# KiCad board ChunkyV2.kicad_pcb
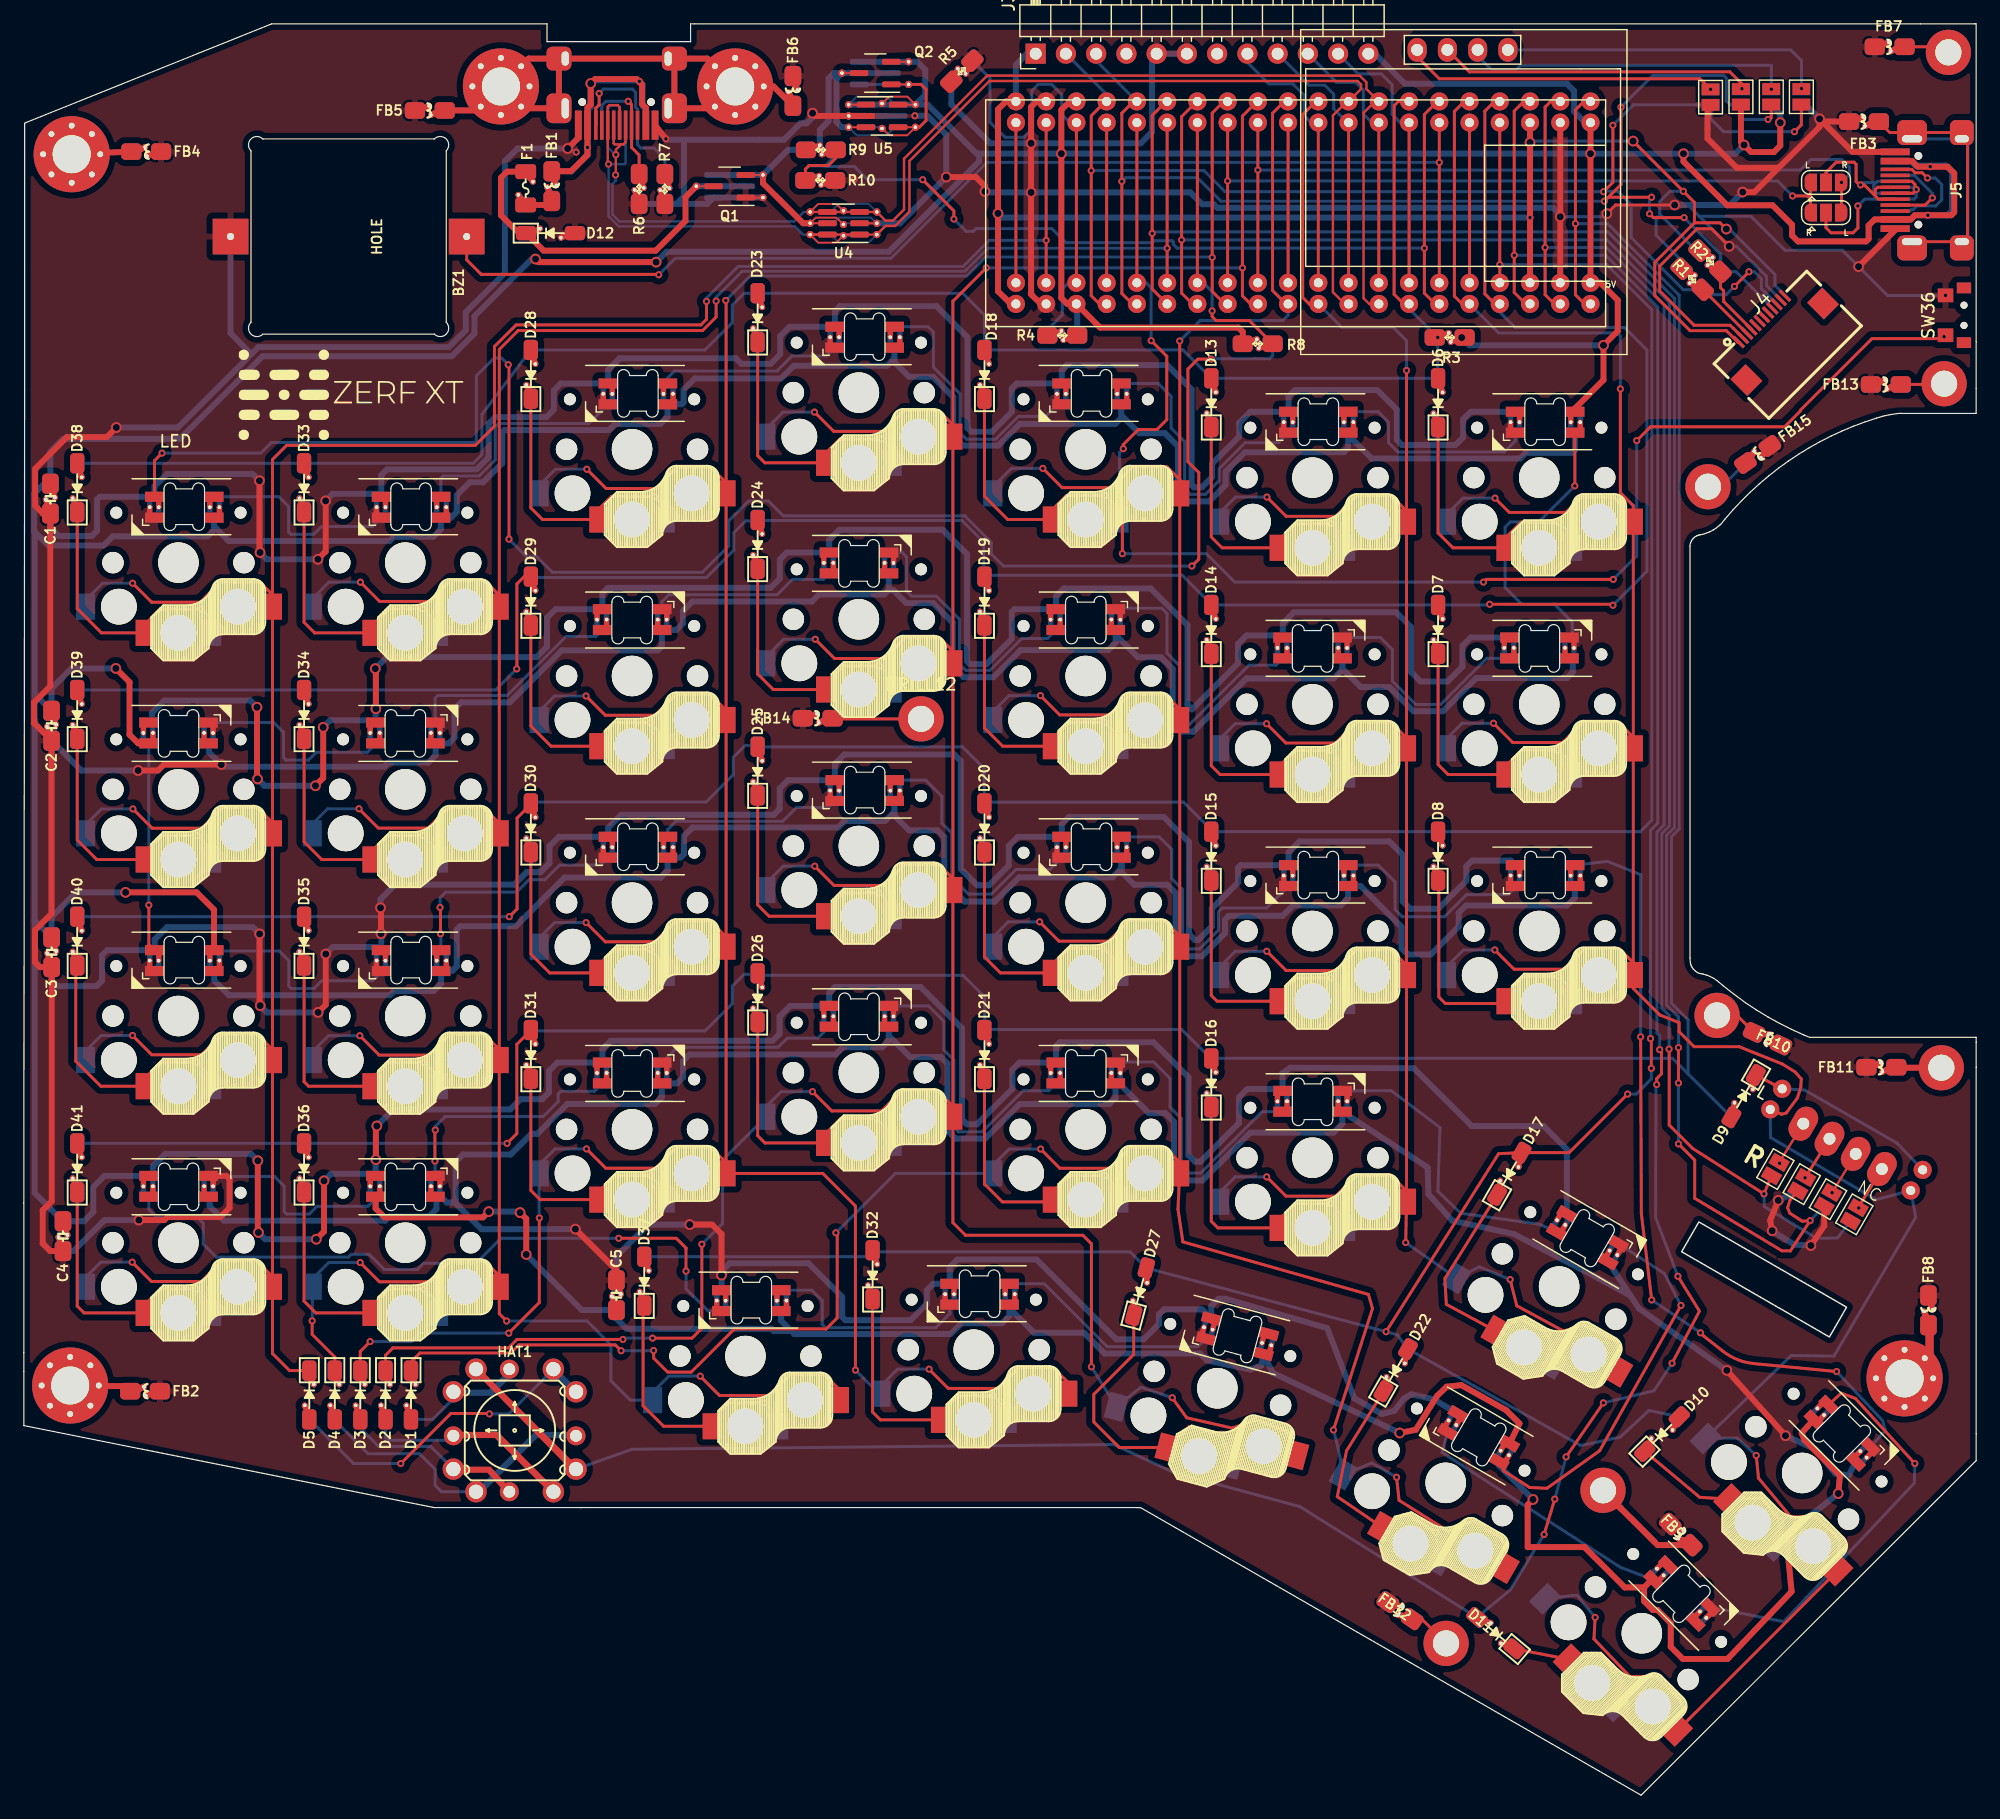
[diagram p0: board, top side]
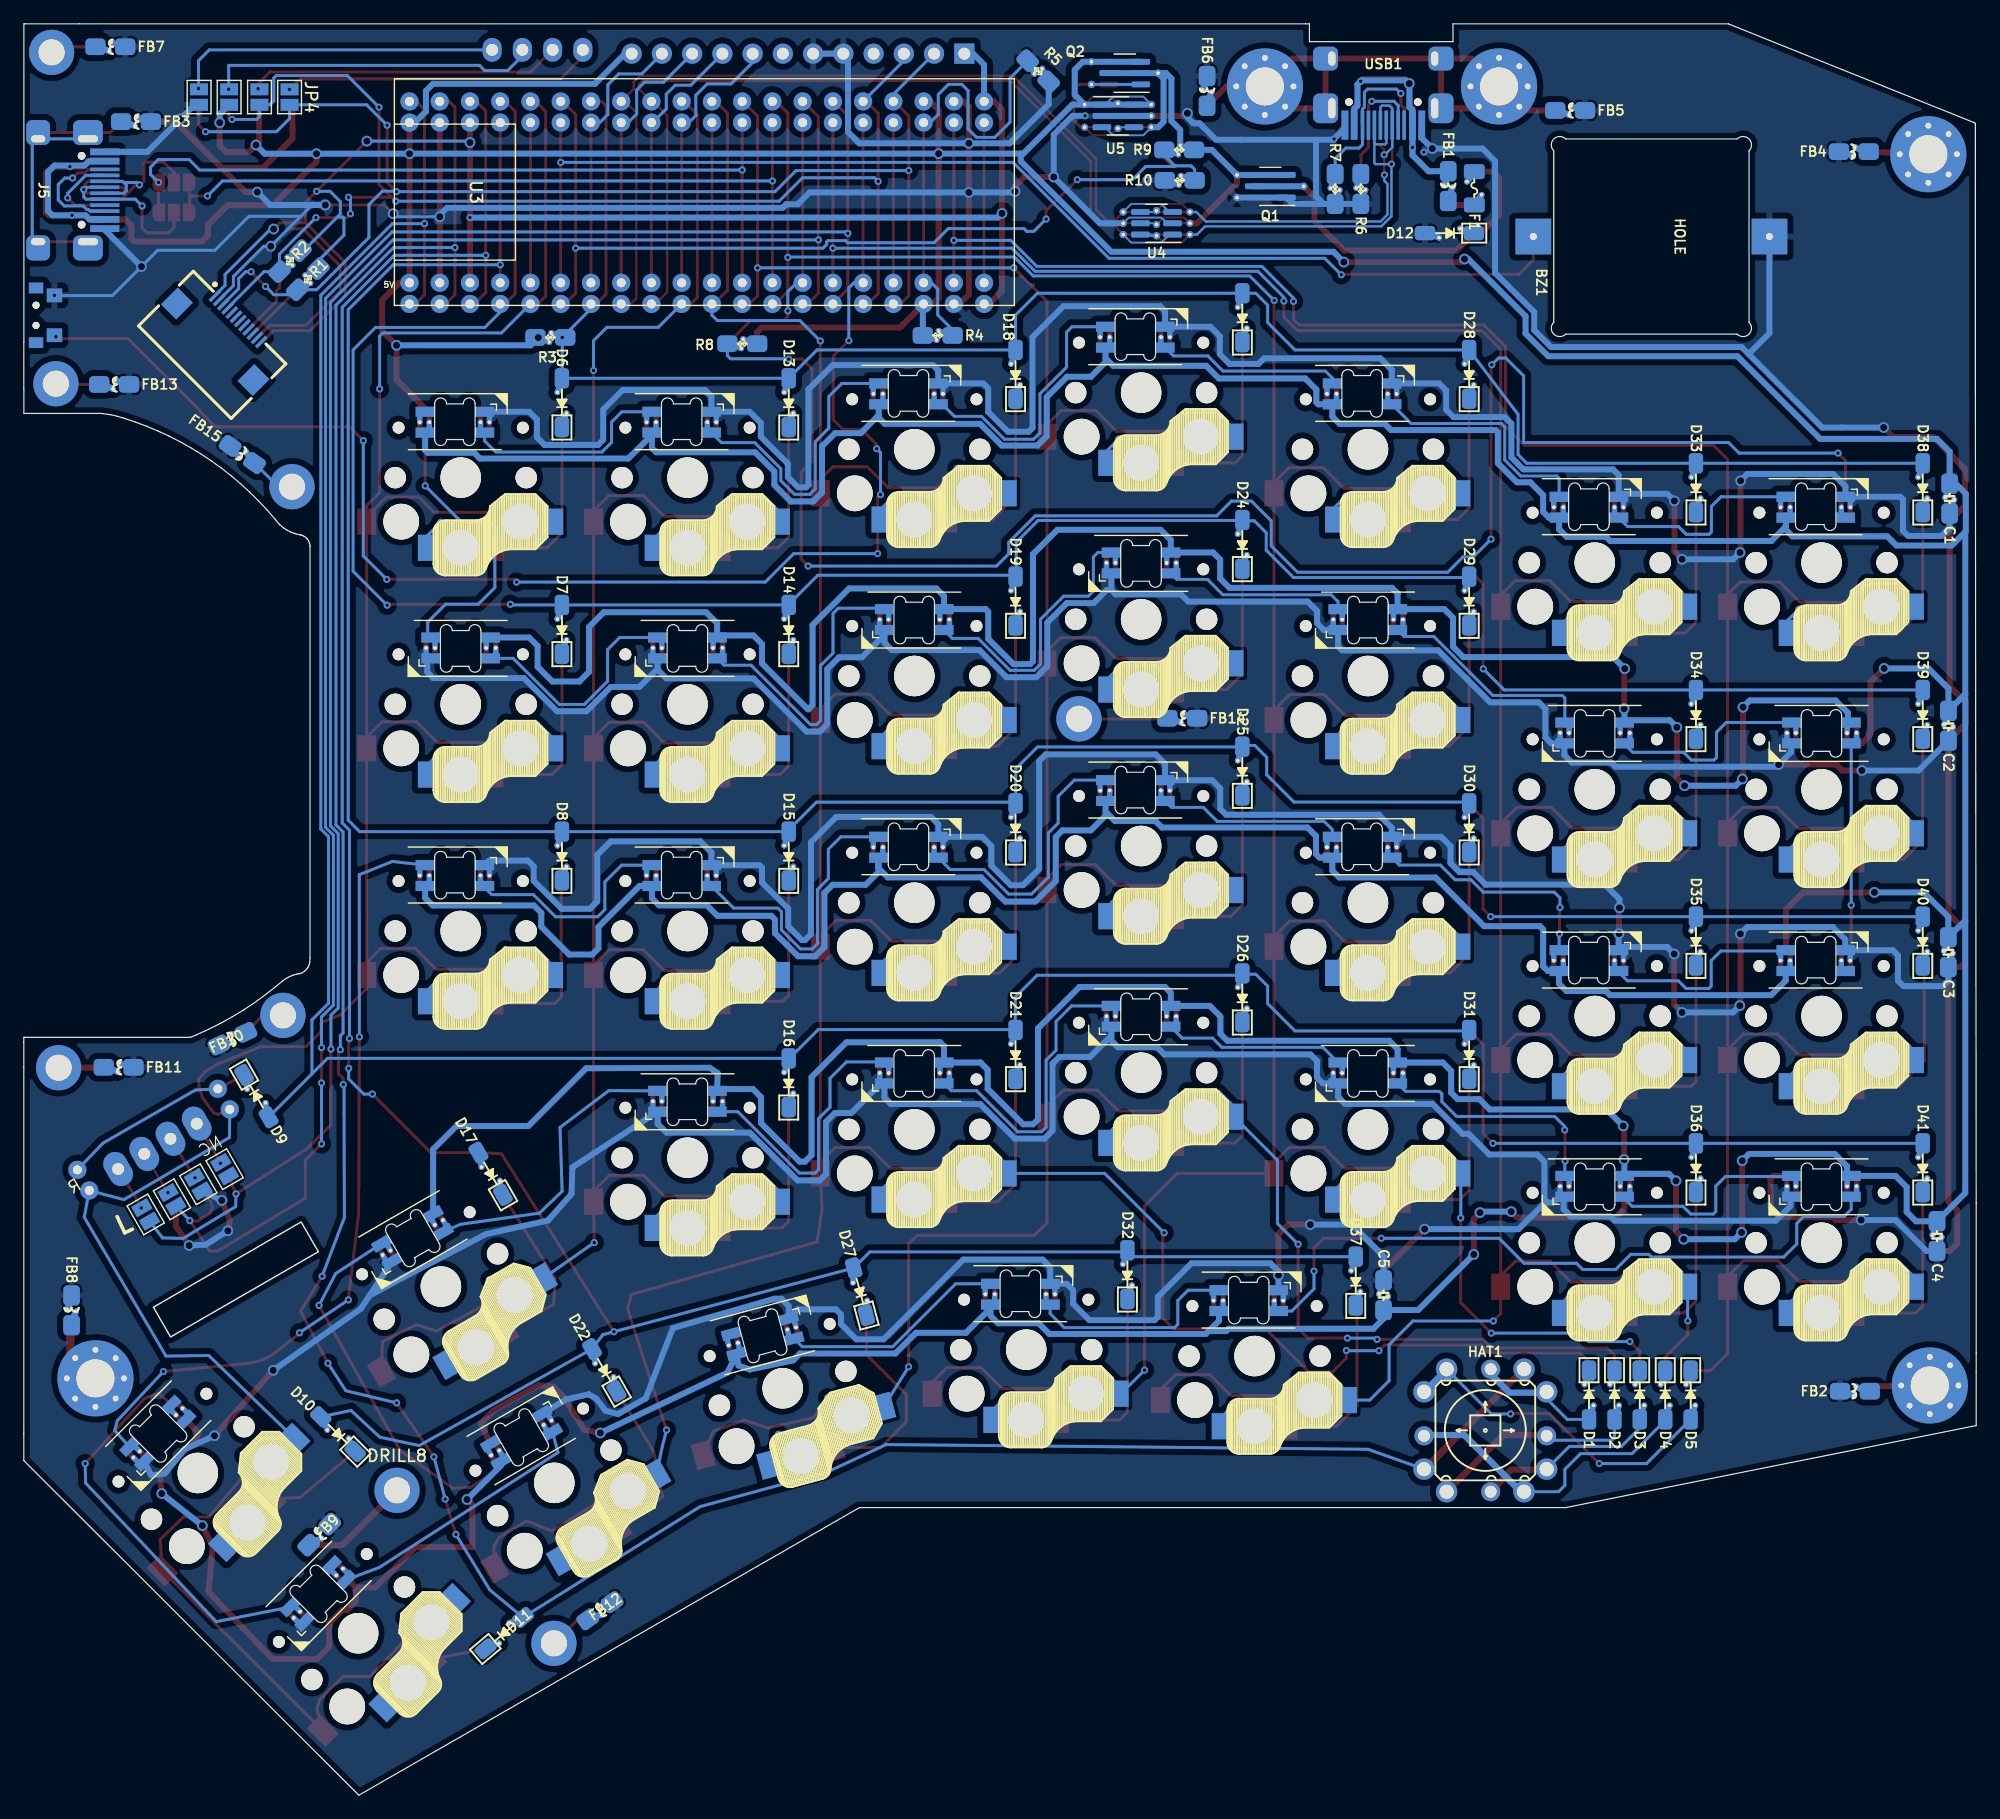
[diagram p1: board, bottom side, seen from below]

Outline 163.98 x 148.86 mm; copper layers: Top, Bottom. Coordinates in mm from the lower left corner of the outline.
Outline path: 163.98,63.69 149.99,63.69 149.47,63.9 148.46,64.36 147.46,64.86 146.49,65.4 145.53,65.98 144.6,66.6 143.64,67.31 142.76,68 142.34,68.36 142.21,68.46 141.94,68.64 141.66,68.8 141.36,68.92 141.05,69 140.89,69.03 140.79,69.05 140.6,69.12 140.43,69.23 140.21,69.44 140.1,69.61 140.02,69.79 139.98,69.99 139.95,70.35 139.95,104.93 139.95,105.03 139.99,105.22 140.06,105.41 140.18,105.57 140.32,105.71 140.49,105.82 140.67,105.89 140.77,105.91 140.94,105.94 141.27,106.04 141.59,106.16 141.9,106.32 142.18,106.51 142.45,106.73 142.57,106.85 142.9,107.25 143.57,108.03 144.28,108.78 145.01,109.5 145.77,110.2 146.56,110.87 147.38,111.51 148.22,112.12 149.08,112.69 149.96,113.23 150.86,113.74 151.78,114.21 152.72,114.65 153.68,115.04 154.65,115.41 155.63,115.73 156.12,115.88 156.35,115.94 156.81,116.02 157.46,116.12 157.69,116.12 163.98,116.12 163.98,118.18 ; 163.98,122.12 163.98,148.86 163.83,148.86 56,148.86 56,147.36 43.94,147.36 43.94,148.86 20.82,148.86 0.2,140.57 0.07,140.5 0.07,118.11 0,49.76 0,31.06 34.47,24.17 93.79,24.17 135.84,0 163.98,28.12 163.98,63.68 163.97,63.69 ; 163.98,118.18 163.98,122.12
Stack: Top 0.035mm / dielectric 1.51mm FR4 er 4.5 / Bottom 0.035mm

## Placement (name value [footprint] x y rotation side)
BZ1  Buzzer  [Piezo-KLJ-1625]  27.28 130.98 270 top
C1  1uF  [C-0805_2012Metric]  2.23 108.96 270 top
C2  1uF  [C-0805_2012Metric]  2.33 89.87 270 top
C3  1uF  [C-0805_2012Metric]  2.34 70.84 270 top
C4  1uF  [C-0805_2012Metric]  3.29 46.98 270 top
C5  1uF  [C-0805_2012Metric]  49.78 42.02 90 top
D1  1N4148  [D_SOD-123]  32.52 33.63 270 top
D2  1N4148  [D_SOD-123]  30.38 33.63 270 top
D3  1N4148  [D_SOD-123]  28.26 33.63 270 top
D4  1N4148  [D_SOD-123]  26.12 33.63 270 top
D5  1N4148  [D_SOD-123]  23.98 33.63 270 top
D6  D  [D_SOD-123]  118.79 117.02 90 top
D7  D  [D_SOD-123]  118.79 97.97 90 top
D8  D  [D_SOD-123]  118.79 78.92 90 top
D9  D  [D_SOD-123]  144.45 58.75 240 top
D10  D  [D_SOD-123]  137.6 30.35 45 top
D11  D  [D_SOD-123]  123.62 13.62 140 top
D12  SMF5.0CA  [D_SOD-123]  44.25 131.27 0 top
D13  D  [D_SOD-123]  99.74 117.02 90 top
D14  D  [D_SOD-123]  99.74 97.97 90 top
D15  D  [D_SOD-123]  99.74 78.92 90 top
D16  D  [D_SOD-123]  99.74 59.87 90 top
D17  D  [D_SOD-123]  124.78 52.22 60 top
D18  D  [D_SOD-123]  80.69 119.4 90 top
D19  D  [D_SOD-123]  80.69 100.35 90 top
D20  D  [D_SOD-123]  80.69 81.3 90 top
D21  D  [D_SOD-123]  80.69 62.25 90 top
D22  D  [D_SOD-123]  115.23 35.72 60 top
D23  D  [D_SOD-123]  61.64 124.17 90 top
D24  D  [D_SOD-123]  61.64 105.12 90 top
D25  D  [D_SOD-123]  61.64 86.07 90 top
D26  D  [D_SOD-123]  61.64 67.02 90 top
D27  D  [D_SOD-123]  93.75 42.32 75 top
D28  D  [D_SOD-123]  42.59 119.4 90 top
D29  D  [D_SOD-123]  42.59 100.35 90 top
D30  D  [D_SOD-123]  42.59 81.3 90 top
D31  D  [D_SOD-123]  42.59 62.25 90 top
D32  D  [D_SOD-123]  71.29 43.74 90 top
D33  D  [D_SOD-123]  23.54 109.88 90 top
D34  D  [D_SOD-123]  23.54 90.83 90 top
D35  D  [D_SOD-123]  23.54 71.78 90 top
D36  D  [D_SOD-123]  23.54 52.73 90 top
D37  D  [D_SOD-123]  52.11 43.2 90 top
D38  D  [D_SOD-123]  4.49 109.88 90 top
D39  D  [D_SOD-123]  4.49 90.83 90 top
D40  D  [D_SOD-123]  4.49 71.78 90 top
D41  D  [D_SOD-123]  4.49 52.73 90 top
DRILL1  Drill Mountpoint  [MountingHole_3.2mm_M3_Pad_Via]  3.9 34.43 0 top
DRILL2  Drill Mountpoint  [MountingHole_2.2mm_M2_DIN965_Pad]  142.22 65.53 0 top
DRILL3  Drill Mountpoint  [MountingHole_3.2mm_M3_Pad_Via]  4.02 137.9 0 top
DRILL4  Drill Mountpoint  [MountingHole_3.2mm_M3_Pad_Via]  40.08 143.6 0 top
DRILL5  Drill Mountpoint  [MountingHole_3.2mm_M3_Pad_Via]  59.75 143.6 0 top
DRILL6  Drill Mountpoint  [MountingHole_2.2mm_M2_DIN965_Pad]  161.65 146.46 0 top
DRILL7  Drill Mountpoint  [MountingHole_3.2mm_M3_Pad_Via]  157.97 35.03 0 top
DRILL8  Drill Mountpoint  [MountingHole_2.2mm_M2_DIN965_Pad]  132.64 25.62 180 bottom
DRILL9  Drill Mountpoint  [MountingHole_2.2mm_M2_DIN965_Pad]  119.46 12.76 180 bottom
DRILL10  Drill Mountpoint  [MountingHole_2.2mm_M2_DIN965_Pad]  161.29 118.61 0 top
DRILL11  Drill Mountpoint  [MountingHole_2.2mm_M2_DIN965_Pad]  161.06 61.13 0 top
DRILL12  Drill Mountpoint  [MountingHole_2.2mm_M2_DIN965_Pad]  75.36 90.45 0 top
DRILL13  Drill Mountpoint  [MountingHole_2.2mm_M2_DIN965_Pad]  141.46 109.96 0 top
F1  3.0A 1206 Polyfuse  [Fuse_1206_3216Metric]  42.16 135.04 270 top
FB1  4A/0805  [L-0805_2012Metric]  44.34 135.22 90 top
FB2  4A/0805  [L-0805_2012Metric]  10.19 33.95 0 top
FB3  4A/0805  [L-0805_2012Metric]  154.56 140.64 180 top
FB4  4A/0805  [L-0805_2012Metric]  10.28 138.12 0 top
FB5  4A/0805  [L-0805_2012Metric]  34.11 141.58 180 top
FB6  4A/0805  [L-0805_2012Metric]  64.6 143.22 90 top
FB7  4A/0805  [L-0805_2012Metric]  156.72 146.93 180 top
FB8  4A/0805  [L-0805_2012Metric]  159.97 40.75 90 top
FB9  4A/0805  [L-0805_2012Metric]  139.17 21.9 135 top
FB10  4A/0805  [L-0805_2012Metric]  146.46 63.57 335 top
FB11  4A/0805  [L-0805_2012Metric]  156.02 61.17 180 top
FB12  4A/0805  [L-0805_2012Metric]  115.59 15.5 145 top
FB13  4A/0805  [L-0805_2012Metric]  156.4 118.55 180 top
FB14  4A/0805  [L-0805_2012Metric]  66.68 90.5 180 top
FB15  4A/0805  [L-0805_2012Metric]  145.63 112.67 35 top
G1  LOGO  [Freznel]  27.72 117.51 0 top
HAT1  5Way-Tactile_K1-1506DN-01  [5Way-K1-1506DN-01]  41.23 30.65 0 top
J1  OLED  [128x64OLED]  120.65 136.07 0 top
J3  DBG  [PinHeader_1x12_P2.54mm_Horizontal]  84.99 146.35 90 top
J4  Conn_01x12_Female  [FPC-SMD_FPC05012-09200-.5mm-rev]  146.94 123.1 45 top
J5  -  [HRO-TYPE-C-31-M-12-HandSoldering-NoSBU]  161.38 134.87 90 top
JP1  Jumper_NO_Small  [SolderJumper-2_P1.3mm_Open_Pad1.0x1.5mm]  149.26 142.7 270 bottom
JP2  Jumper_NO_Small  [SolderJumper-2_P1.3mm_Open_Pad1.0x1.5mm]  146.74 142.7 270 bottom
JP3  Jumper_NO_Small  [SolderJumper-2_P1.3mm_Open_Pad1.0x1.5mm]  144.19 142.7 270 bottom
JP4  Jumper_NO_Small  [SolderJumper-2_P1.3mm_Open_Pad1.0x1.5mm]  141.66 142.7 270 bottom
JP5  Jumper_NO_Small  [SolderJumper-2_P1.3mm_Open_Pad1.0x1.5mm]  149.3 142.72 270 top
JP6  Jumper_NO_Small  [SolderJumper-2_P1.3mm_Open_Pad1.0x1.5mm]  146.78 142.72 270 top
JP7  Jumper_NO_Small  [SolderJumper-2_P1.3mm_Open_Pad1.0x1.5mm]  144.22 142.72 270 top
JP8  Jumper_NO_Small  [SolderJumper-2_P1.3mm_Open_Pad1.0x1.5mm]  141.68 142.7 270 top
JP17  Jumper_NO_Small  [SolderJumper-2_P1.3mm_Open_Pad1.0x1.5mm]  149.33 51.34 240 bottom
JP18  Jumper_NO_Small  [SolderJumper-2_P1.3mm_Open_Pad1.0x1.5mm]  151.54 50.08 240 top
JP19  Jumper_NO_Small  [SolderJumper-2_P1.3mm_Open_Pad1.0x1.5mm]  153.75 48.8 240 bottom
JP20  Jumper_NO_Small  [SolderJumper-2_P1.3mm_Open_Pad1.0x1.5mm]  147.12 52.62 240 top
JP21  Jumper_NO_Small  [SolderJumper-2_P1.3mm_Open_Pad1.0x1.5mm]  149.33 51.35 240 top
JP22  Jumper_NO_Small  [SolderJumper-2_P1.3mm_Open_Pad1.0x1.5mm]  151.54 50.07 240 bottom
JP23  Jumper_NO_Small  [SolderJumper-2_P1.3mm_Open_Pad1.0x1.5mm]  153.75 48.81 240 top
JP24  Jumper_NO_Small  [SolderJumper-2_P1.3mm_Open_Pad1.0x1.5mm]  147.12 52.61 240 bottom
JP25  JU1  [SolderJumper-3_P1.3mm_Open_RoundedPad1.0x1.5mm]  151.37 135.53 0 top
JP26  JU2  [SolderJumper-3_P1.3mm_Open_RoundedPad1.0x1.5mm]  151.37 132.99 0 top
Q1  AO3401A  [SOT-23-3]  59.28 135.21 180 top
Q2  AO3401A  [SOT-23-3]  71.51 144.72 180 top
R1  4.7k  [R-0805_2012Metric]  140.13 127.4 135 top
R2  4.7k  [R-0805_2012Metric]  141.63 128.91 135 top
R3  10k  [R-0805_2012Metric]  119.76 122.5 180 top
R4  10k  [R-0805_2012Metric]  87.22 122.67 180 top
R5  10k  [R-0805_2012Metric]  78.78 144.88 45 top
R6  5.1k  [R-0805_2012Metric]  51.69 134.98 270 top
R7  5.1k  [R-0805_2012Metric]  53.84 134.98 90 top
R8  5.1k  [R-0805_2012Metric]  103.64 121.97 180 top
R9  4.7k  [R-0805_2012Metric]  66.94 138.27 0 top
R10  10k  [R-0805_2012Metric]  66.9 135.71 0 top
SW1  SW_PUSH_LED  [Choc_Hotswap_SK6812MiniE-FBS-rot]  127.29 110.72 180 top
SW2  SW_PUSH_LED  [Choc_Hotswap_SK6812MiniE-FBS]  127.29 91.67 180 top
SW3  SW_PUSH_LED  [Choc_Hotswap_SK6812MiniE-FBS-rot]  127.29 72.62 180 top
SW4  SW_PUSH_LED  [Choc_Hotswap_SK6812MiniE-FBS]  149.37 27.08 135 top
SW5  Rotary_Encoder_Switch  [EVQWGD001-reversible]  149.72 49.53 330 top
SW6  SW_PUSH_LED  [Choc_Hotswap_SK6812MiniE-FBS]  135.9 13.61 135 top
SW7  SW_PUSH_LED  [Choc_Hotswap_SK6812MiniE-FBS-rot]  108.24 110.72 180 top
SW8  SW_PUSH_LED  [Choc_Hotswap_SK6812MiniE-FBS]  108.24 91.67 180 top
SW9  SW_PUSH_LED  [Choc_Hotswap_SK6812MiniE-FBS-rot]  108.24 72.62 180 top
SW10  SW_PUSH_LED  [Choc_Hotswap_SK6812MiniE-FBS]  108.24 53.57 180 top
SW11  SW_PUSH_LED  [Choc_Hotswap_SK6812MiniE-FBS]  128.95 42.75 150 top
SW12  SW_PUSH_LED  [Choc_Hotswap_SK6812MiniE-FBS-rot]  89.19 113.1 180 top
SW13  SW_PUSH_LED  [Choc_Hotswap_SK6812MiniE-FBS]  89.19 94.05 180 top
SW14  SW_PUSH_LED  [Choc_Hotswap_SK6812MiniE-FBS-rot]  89.19 75 180 top
SW15  SW_PUSH_LED  [Choc_Hotswap_SK6812MiniE-FBS]  89.19 55.95 180 top
SW16  SW_PUSH_LED  [Choc_Hotswap_SK6812MiniE-FBS-rot]  119.43 26.25 150 top
SW17  SW_PUSH_LED  [Choc_Hotswap_SK6812MiniE-FBS-rot]  70.14 117.87 180 top
SW18  SW_PUSH_LED  [Choc_Hotswap_SK6812MiniE-FBS]  70.14 98.82 180 top
SW19  SW_PUSH_LED  [Choc_Hotswap_SK6812MiniE-FBS-rot]  70.14 79.77 180 top
SW20  SW_PUSH_LED  [Choc_Hotswap_SK6812MiniE-FBS]  70.14 60.72 180 top
SW21  SW_PUSH_LED  [Choc_Hotswap_SK6812MiniE-FBS-rot]  100.25 34.19 165 top
SW22  SW_PUSH_LED  [Choc_Hotswap_SK6812MiniE-FBS-rot]  51.09 113.1 180 top
SW23  SW_PUSH_LED  [Choc_Hotswap_SK6812MiniE-FBS]  51.09 94.05 180 top
SW24  SW_PUSH_LED  [Choc_Hotswap_SK6812MiniE-FBS-rot]  51.09 75 180 top
SW25  SW_PUSH_LED  [Choc_Hotswap_SK6812MiniE-FBS]  51.09 55.95 180 top
SW26  SW_PUSH_LED  [Choc_Hotswap_SK6812MiniE-FBS-rot]  79.79 37.44 180 top
SW27  SW_PUSH_LED  [Choc_Hotswap_SK6812MiniE-FBS-rot]  32.04 103.58 180 top
SW28  SW_PUSH_LED  [Choc_Hotswap_SK6812MiniE-FBS]  32.04 84.53 180 top
SW29  SW_PUSH_LED  [Choc_Hotswap_SK6812MiniE-FBS-rot]  32.04 65.48 180 top
SW30  SW_PUSH_LED  [Choc_Hotswap_SK6812MiniE-FBS]  32.04 46.43 180 top
SW31  SW_PUSH_LED  [Choc_Hotswap_SK6812MiniE-FBS-rot]  60.61 36.9 180 top
SW32  SW_PUSH_LED  [Choc_Hotswap_SK6812MiniE-FBS-rot]  12.99 103.58 180 top
SW33  SW_PUSH_LED  [Choc_Hotswap_SK6812MiniE-FBS]  12.99 84.53 180 top
SW34  SW_PUSH_LED  [Choc_Hotswap_SK6812MiniE-FBS-rot]  12.99 65.48 180 top
SW35  SW_PUSH_LED  [Choc_Hotswap_SK6812MiniE-FBS]  12.99 46.43 180 top
SW36  SW_SPST  [SMD_Tacticle_Switch_TS24CA_flipable-TEN]  162.96 124.36 270 top
U3  U1  [Blackpill_copy]  126.51 132.94 270 top
U4  AZC199-04S  [SOT-23-6]  68.84 132.1 180 top
U5  LMV321  [SOT-23-5]  72.09 141.12 0 top
USB1  USB-C-2.0  [HRO-TYPE-C-31-M-12-HandSoldering-NoSBU]  49.8 144.54 180 top

## Library data of the parts
BZ1 = -: LCSC: C201041
D1-D11 D13-D41 = -: LCSC: C108804
D12 = -: LCSC: C320548
F1 = -: LCSC: C553935
FB1 FB4 = -: LCSC: C370576
J3 = -: Field4: Single-row; JLCPCB BOM: 0; LCSC Part: C56816
J4 = -: LCSC: C479750
J5 USB1 = -: LCSC: C165948
Q1 Q2 = -: LCSC: C306862
R1 R2 = -: LCSC: C269746
R4 R5 = -: JLCPCB BOM: 1; LCSC Part: C25804
R6 R7 = -: LCSC: C269736
R9 = -: LCSC: C269733
R10 = -: LCSC: C269724
SW36 = -: LCSC: C393942
U4 = -: LCSC: C2901321
U5 = -: LCSC: C395459

## Footprints (pads in the part's own frame, mm; a bottom-side part is the same pattern mirrored in y, then rotated)
5Way-K1-1506DN-01
  round 1.8 hole 1.2: 1(-5.15,3.25) 2(3.25,-5.15) 3(-5.15,-3.25) 4(-3.25,5.15) 4(5.15,-3.25) 5(-3.25,-5.15) 6(3.25,5.15) 6(5.15,3.25)
  custom 6.106x3.312 smd far side: 1(-2.54,3.175)
  round 1.6 hole 1: 1(-0.45,5.15) 2(-5.15,-0.45) 3(-0.45,-5.15) 5(5.15,-0.45)
  custom 9.916x6.106 smd: 2(2.032,-3.937)
  custom 6.106x3.312 smd: 3(-1.778,-3.81)
  custom 9.939x9.939 smd: 4(0.95,0.95)
  custom 9.916x6.106 smd far side: 5(3.81,-0.381)
  custom 3.462x3.462 smd far side: 6(4.2,4.2)
128x64OLED
  oval 1.6x2 hole 1: 1(-3.62,10.6) 2(-1.08,10.6) 3(1.46,10.6) 4(4,10.6)
Blackpill_copy
  round 1.524 hole 0.762: 1(-9.398,5.08) 1(7.62,5.08) 2(-9.398,2.54) 2(7.62,2.54) 3(-9.398,0) 3(7.62,0) 4(-9.398,-2.54) 4(7.62,-2.54) 5(-9.398,-5.08) 5(7.62,-5.08) 6(-9.398,-7.62) 6(7.62,-7.62) 7(-9.398,-10.16) 7(7.62,-10.16) 8(-9.398,-12.7) 8(7.62,-12.7) 9(-9.398,-15.24) 9(7.62,-15.24) 10(-9.398,-17.78) 10(7.62,-17.78) 11(-9.398,-20.32) 11(7.62,-20.32) 12(-9.398,-22.86) 12(7.62,-22.86) 13(-9.398,-25.4) 13(7.62,-25.4) 14(-9.398,-27.94) 14(7.62,-27.94) 15(-9.398,-30.48) 15(7.62,-30.48) 16(-9.398,-33.02) 16(7.62,-33.02) 17(-9.398,-35.56) 17(7.62,-35.56) 18(-9.398,-38.1) 18(7.62,-38.1) 19(-9.398,-40.64) 19(7.62,-40.64) 20(-9.398,-43.18) 20(7.62,-43.18) 21(-7.62,-43.18) 21(5.842,-43.18) 22(-7.62,-40.64) 22(5.842,-40.64) 23(-7.62,-38.1) 23(5.842,-38.1) 24(-7.62,-35.56) 24(5.842,-35.56) 25(-7.62,-33.02) 25(5.842,-33.02) 26(-7.62,-30.48) 26(5.842,-30.48) 27(-7.62,-27.94) 27(5.842,-27.94) 28(-7.62,-25.4) 28(5.842,-25.4) 29(-7.62,-22.86) 29(5.842,-22.86) 30(-7.62,-20.32) 30(5.842,-20.32) 31(-7.62,-17.78) 31(5.842,-17.78) 32(-7.62,-15.24) 32(5.842,-15.24) 33(-7.62,-12.7) 33(5.842,-12.7) 34(-7.62,-10.16) 34(5.842,-10.16) 35(-7.62,-7.62) 35(5.842,-7.62) 36(-7.62,-5.08) 36(5.842,-5.08) 37(-7.62,-2.54) 37(5.842,-2.54) 38(-7.62,0) 38(5.842,0) 39(-7.62,2.54) 39(5.842,2.54) 40(-7.62,5.08) 40(5.842,5.08)
C-0805_2012Metric
  rrect 1.701x1.4 smd: 1(-1.251,0) 2(1.251,0)
  rrect 1.701x1.4 smd far side: 1(-1.251,0) 2(1.251,0)
  custom 1.262x0.881 smd: 1(-0.851,0) 2(0.851,0)
  custom 1.262x0.881 smd far side: 1(-0.851,0) 2(0.851,0)
  round 0.5 hole 0.3: 1(-0.089,0.381) 2(0.07,-0.381)
Choc_Hotswap_SK6812MiniE-FBS
  round 1.8 hole 1.8 unplated: (-5.5,0) (5.5,0)
  round 1 hole 1 unplated: (-5.22,-4.2) (5.22,-4.2)
  round 3 hole 3 unplated: (-5,3.7) (0,5.9) (5,3.7)
  round 3.4 hole 3.4 unplated: (0,0)
  round 0.457 hole 0.305: 1(2.14,-4.74) 2(2.94,-4.74) 3(-2.91,-4.74) 4(-2.16,-4.74)
  custom 1.6x1.373 smd: 1(2.49,-3.865)
  custom 1.6x1.371 smd far side: 1(2.49,-5.615)
  custom 1.6x1.363 smd far side: 2(2.49,-3.865) 3(-2.51,-3.865)
  custom 1.6x1.344 smd: 2(2.49,-5.615)
  custom 1.6x1.362 smd: 3(-2.51,-5.615)
  custom 1.6x1.381 smd: 4(-2.51,-3.865)
  custom 1.6x1.361 smd far side: 4(-2.51,-5.615)
  rect 1.6x2.2 smd far side: 5(-2.8,5.9) 6(7.8,3.7)
  rect 1.6x2.2 smd: 5(2.8,5.9) 6(-7.9,3.7)
Choc_Hotswap_SK6812MiniE-FBS-rot
  round 1.8 hole 1.8 unplated: (-5.5,0) (5.5,0)
  round 1 hole 1 unplated: (-5.22,-4.2) (5.22,-4.2)
  round 3 hole 3 unplated: (-5,3.7) (0,5.9) (5,3.7)
  round 3.4 hole 3.4 unplated: (0,0)
  custom 1.6x1.371 smd far side: 1(-2.99,-3.785)
  custom 1.6x1.373 smd: 1(-2.99,-5.535)
  round 0.457 hole 0.305: 1(-2.64,-4.66) 2(-3.44,-4.66) 3(2.41,-4.66) 4(1.66,-4.66)
  custom 1.6x1.344 smd: 2(-2.99,-3.785)
  custom 1.6x1.363 smd far side: 2(-2.99,-5.535) 3(2.01,-5.535)
  custom 1.6x1.362 smd: 3(2.01,-3.785)
  custom 1.6x1.361 smd far side: 4(2.01,-3.785)
  custom 1.6x1.381 smd: 4(2.01,-5.535)
  rect 1.6x2.2 smd far side: 5(-2.8,5.9) 6(7.8,3.7)
  rect 1.6x2.2 smd: 5(2.8,5.9) 6(-7.9,3.7)
D_SOD-123
  rrect 1.701x1.2 smd: 1(-2.051,0) 2(2.051,0)
  rrect 1.701x1.2 smd far side: 1(-2.051,0) 2(2.051,0)
  custom 1.262x0.881 smd: 1(-1.651,0) 2(1.651,0)
  custom 1.262x0.881 smd far side: 1(-1.651,0) 2(1.651,0)
  round 0.5 hole 0.3: 1(-0.889,0.381) 2(0.87,-0.381)
EVQWGD001-reversible
  oval 2x3 hole 1: A(3.95,5.85) B(1.41,5.85) C(-1.13,5.85) D(-3.67,5.85)
  round 1.524 hole 0.762: S1(-6.675,7.5) S1(6.95,7.5)
  oval 1.524x1.524 hole 0.762: S2(-6.675,5.5) S2(6.95,5.5)
FPC-SMD_FPC05012-09200-.5mm-rev
  rect 0.28x1.25 smd: 1(-2.75,1.362) 2(-2.25,1.362) 3(-1.75,1.362) 4(-1.25,1.362) 5(-0.75,1.362) 6(-0.25,1.362) 7(0.25,1.362) 8(0.75,1.362) 9(1.25,1.362) 10(1.75,1.362) 11(2.25,1.362) 12(2.75,1.362)
  rect 0.28x1.25 smd far side: 1(2.75,1.358) 2(2.25,1.358) 3(1.75,1.358) 4(1.25,1.358) 5(0.75,1.358) 6(0.25,1.358) 7(-0.25,1.358) 8(-0.75,1.358) 9(-1.25,1.358) 10(-1.75,1.358) 11(-2.25,1.358) 12(-2.75,1.358)
  rect 1.8x2 smd far side: 13(-4.55,-1.366) 14(4.55,-1.366)
  rect 1.8x2 smd: 13(4.55,-1.362) 14(-4.55,-1.362)
Fuse_1206_3216Metric
  custom 1.313x1.16 smd: 1(-1.4,0)
  custom 1.313x1.16 smd far side: 1(-1.4,0)
  rrect 1.25x1.75 smd: 1(-1.4,0) 2(1.4,0)
  rrect 1.25x1.75 smd far side: 1(-1.4,0) 2(1.4,0)
  round 0.5 hole 0.3: 1(-0.559,0.61) 2(0.55,-0.61)
  custom 1.364x1.11 smd: 2(1.4,0)
  custom 1.364x1.11 smd far side: 2(1.4,0)
HRO-TYPE-C-31-M-12-HandSoldering-NoSBU
  round 0.65 hole 0.65 unplated: (-2.89,2.25) (2.89,2.25)
  rect 0.57x2.45 smd: A1(-3.225,4.195) A4(-2.45,4.195) B1(3.225,4.195) B4(2.45,4.195)
  rect 0.57x2.45 smd far side: A1(3.225,4.195) A4(2.45,4.195) B1(-3.225,4.195) B4(-2.45,4.195)
  rect 0.3x2.45 smd: A5(-1.25,4.195) A6(-0.25,4.195) A7(0.25,4.195) B5(1.75,4.195) B6(0.75,4.195) B7(-0.75,4.195) ~(-1.75,4.195) ~(1.25,4.195)
  rect 0.3x2.45 smd far side: A5(1.25,4.195) A6(0.25,4.195) A7(-0.25,4.195) B5(-1.75,4.195) B6(-0.75,4.195) B7(0.75,4.195) ~(-1.25,4.195) ~(1.75,4.195)
  rrect 2.1x2.5 smd: S1(-4.85,2.78) S1(4.85,2.78)
  rrect 2.1x2.5 smd far side: S1(-4.85,2.78) S1(4.85,2.78)
  rrect 2.1x2 smd: S1(-4.85,-1.4) S1(4.85,-1.4)
  rrect 2.1x2 smd far side: S1(-4.85,-1.4) S1(4.85,-1.4)
  oval 1x2.1 hole 0.6x1.7: S1(-4.32,2.78) S1(4.32,2.78)
  oval 1x1.6 hole 0.6x1.2: S1(-4.32,-1.4) S1(4.32,-1.4)
L-0805_2012Metric
  rrect 1.701x1.4 smd: 1(-1.251,0) 2(1.251,0)
  rrect 1.701x1.4 smd far side: 1(-1.251,0) 2(1.251,0)
  custom 1.262x0.881 smd: 1(-0.851,0) 2(0.851,0)
  custom 1.262x0.881 smd far side: 1(-0.851,0) 2(0.851,0)
  round 0.5 hole 0.3: 1(-0.089,0.381) 2(0.07,-0.381)
MountingHole_2.2mm_M2_DIN965_Pad
  round 3.8 hole 2.2: 1(0,0)
MountingHole_3.2mm_M3_Pad_Via
  round 0.8 hole 0.5: 1(-2.4,0) 1(-1.697,1.697) 1(-1.697,-1.697) 1(0,2.4) 1(0,-2.4) 1(1.697,1.697) 1(1.697,-1.697) 1(2.4,0)
  round 6.4 hole 3.2: 1(0,0)
Piezo-KLJ-1625
  rect 3x3 hole 0.6: 1(0,9.916) 2(0,-9.916)
PinHeader_1x12_P2.54mm_Horizontal
  rect 1.7x1.7 hole 1: 1(0,0)
  oval 1.7x1.7 hole 1: 2(0,-2.54) 3(0,-5.08) 4(0,-7.62) 5(0,-10.16) 6(0,-12.7) 7(0,-15.24) 8(0,-17.78) 9(0,-20.32) 10(0,-22.86) 11(0,-25.4) 12(0,-27.94)
R-0805_2012Metric
  rrect 1.701x1.4 smd: 1(-1.251,0) 2(1.251,0)
  rrect 1.701x1.4 smd far side: 1(-1.251,0) 2(1.251,0)
  custom 1.262x0.881 smd: 1(-0.851,0) 2(0.851,0)
  custom 1.262x0.881 smd far side: 1(-0.851,0) 2(0.851,0)
  round 0.5 hole 0.3: 1(-0.089,0.381) 2(0.07,-0.381)
SMD_Tacticle_Switch_TS24CA_flipable-TEN
  rect 0.9x1.2 smd: (-2.3,0) (2.3,0)
  rect 0.9x1.2 smd far side: (-2.3,0) (2.3,0)
  round 0.6 hole 0.6 unplated: (-0.85,0) (0.85,0)
  rect 1.15x1.3 smd: 1(-1.675,-1.55) 2(1.675,-1.55)
  rect 1.15x1.3 smd far side: 1(-1.675,-1.55) 2(1.675,-1.55)
SolderJumper-2_P1.3mm_Open_Pad1.0x1.5mm
  rect 1x1.5 smd: 1(-0.65,0) 2(0.65,0)
SolderJumper-3_P1.3mm_Open_RoundedPad1.0x1.5mm
  custom 1.05x1.5 smd: 1(-1.3,0) 3(1.3,0)
  rect 1x1.5 smd: 2(0,0)
SOT-23-3
  round 0.6 hole 0.3: 1(-2.8,0.95) 2(-2.8,-0.95) 3(2.8,0)
  custom 0.6x0.6 smd: 1(-2.8,0.95) 2(-2.8,-0.95) 3(2.8,0)